# Altium PCB STeaMi-VerB1.PcbDoc (part 3 of 5)
Units mm, origin at the board's own origin, x right, y up, seen from the top; angles counter-clockwise.
Board outline 61.3 x 91.91 mm, 4 copper layers (Top Layer, Mid-Layer 1, Mid-Layer 2, Bottom Layer), stack 1.573 mm thick; 370 components, 209 nets, 1141 pads, 566 vias.
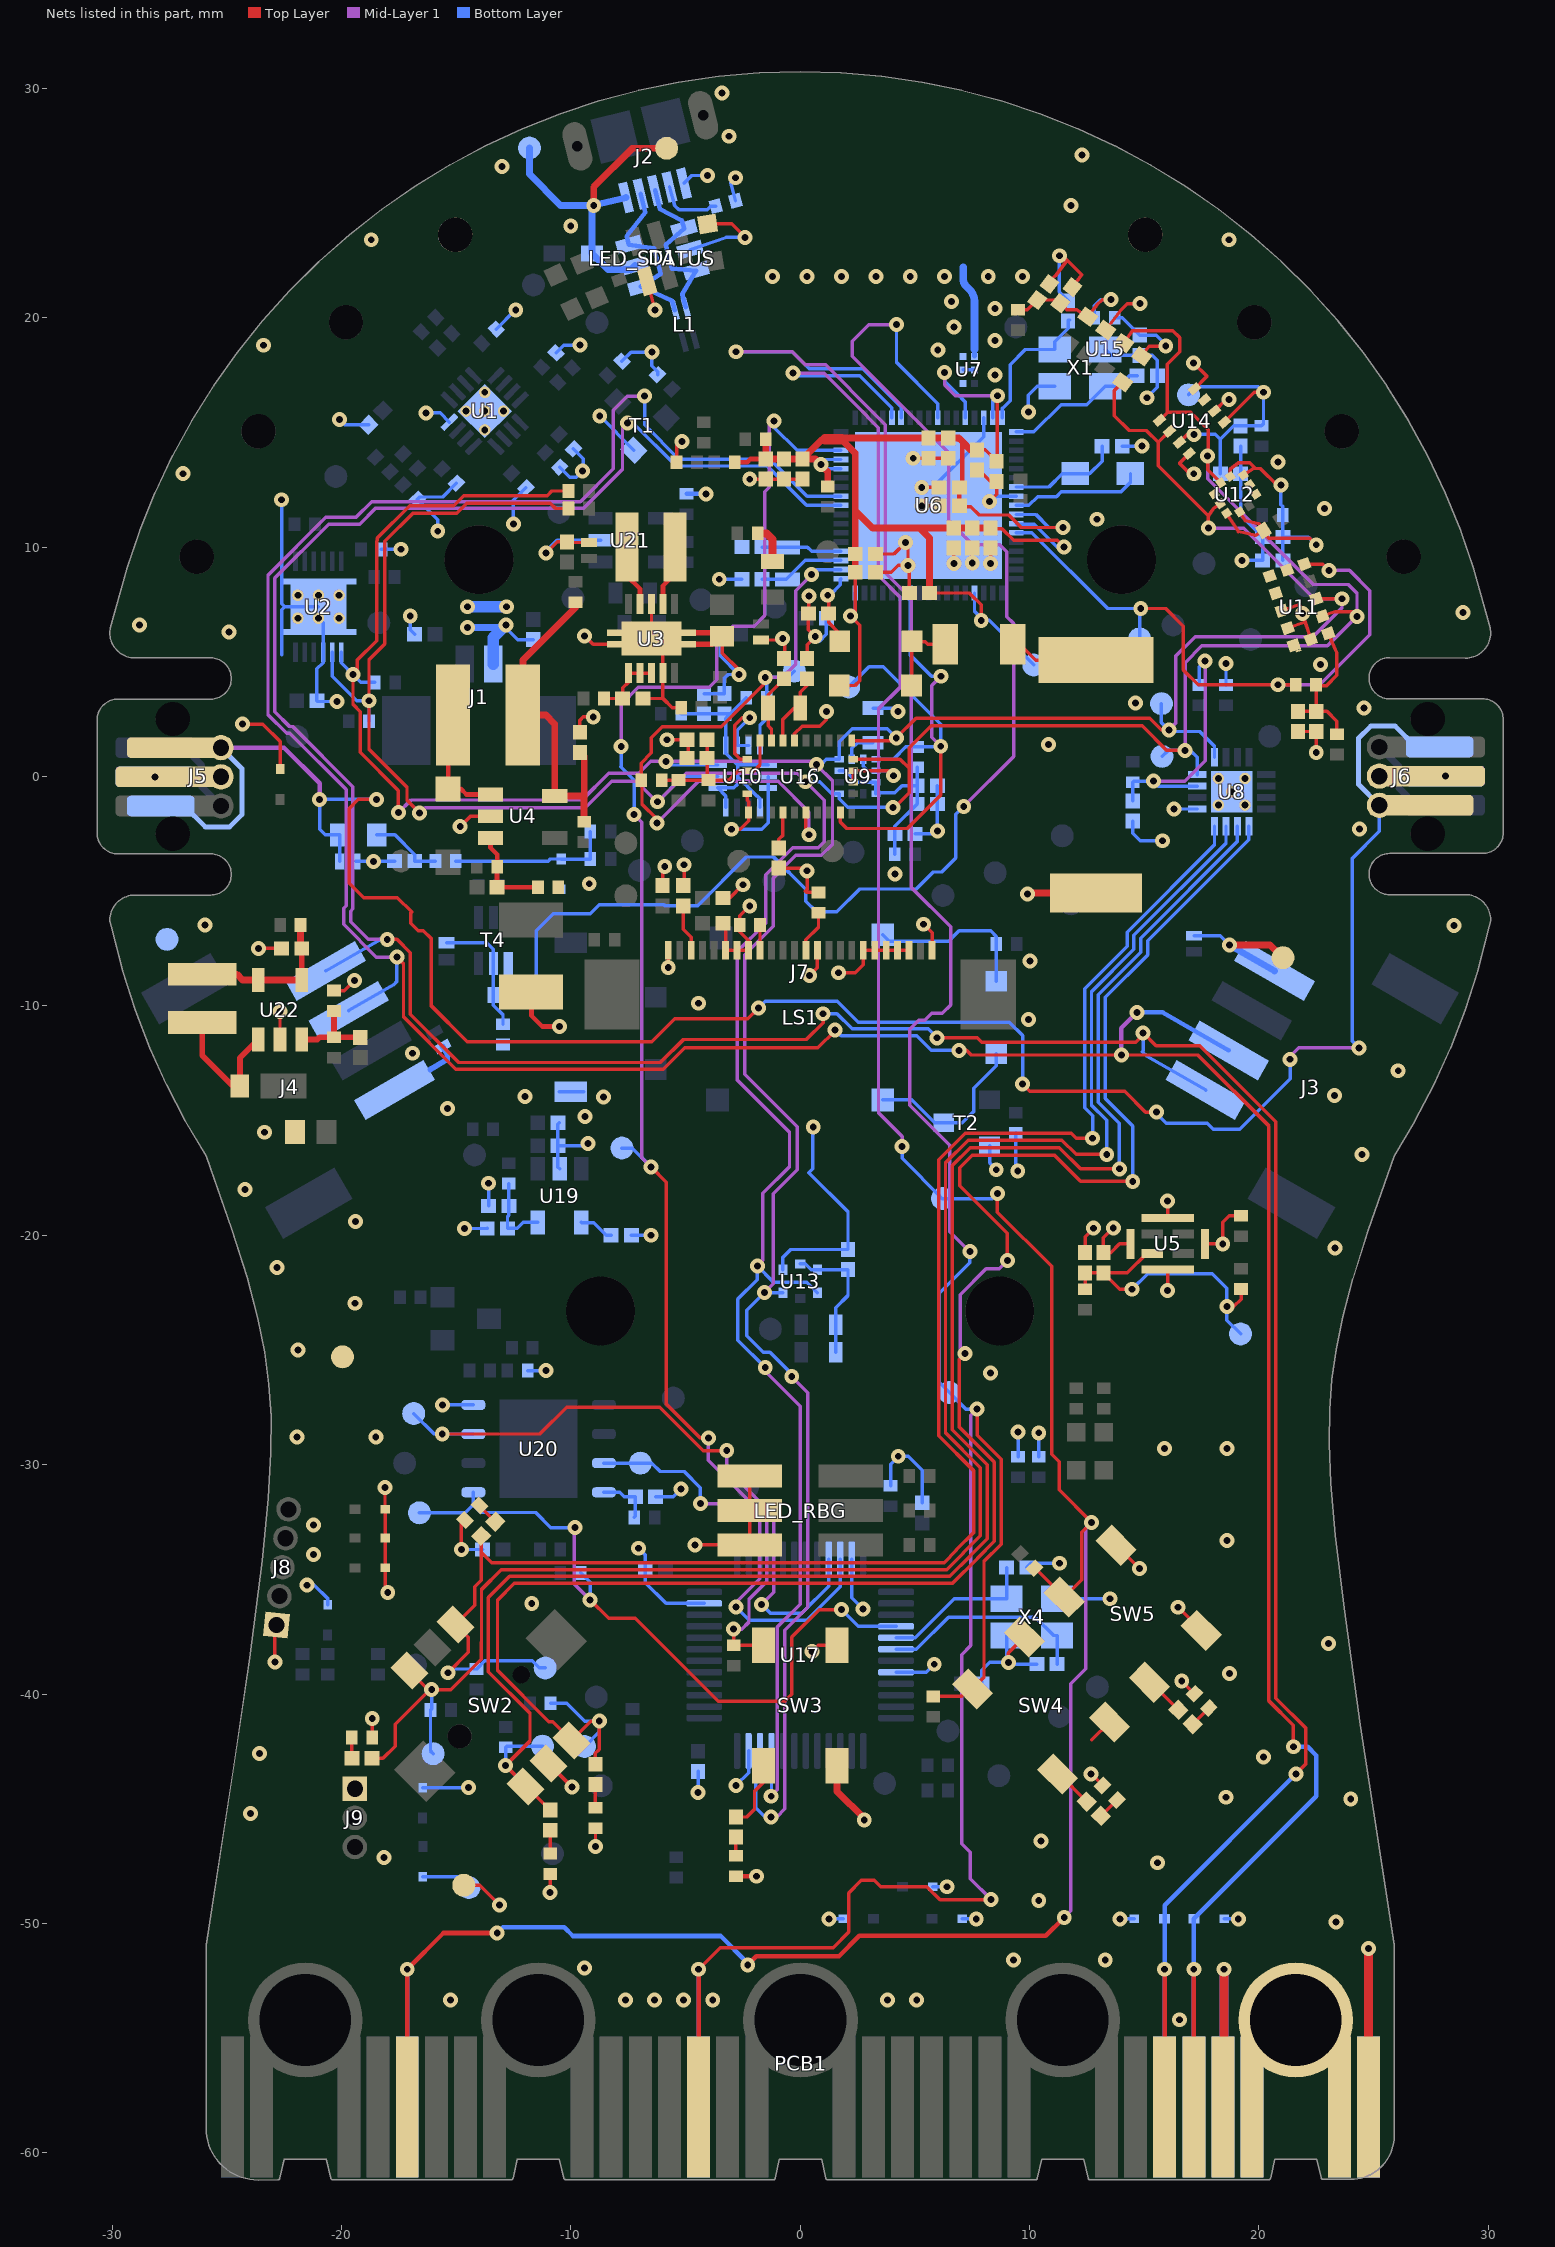
[diagram p5: the nets of this part, all layers, seen from the top]

## Via types
v1: diameter 0.65, hole 0.3, Top Layer to Bottom Layer, tented both sides, 562 vias
v2: diameter 0.65, hole 0.3, Top Layer to Bottom Layer, 4 vias

## Nets (pads, with @x,y where several pads share a name; then routed paths per layer and width w, separated by ;. In a path a pad name is that pad's centre, name@x,y a point inside that pad or via, vN(x,y) a via of type N, cw(c..) or ccw(c..) an arc to the next point about the centre after c; other vN are vias at no path point) (continued)
FLASH_/CS: R110.1 TP39.1 U17.4 U20.1 | length 31.3
  Top Layer w0.15: v1(-9.154,-35.9) -8.353,-36.701 -7.185,-36.701 -3.571,-40.314 -0.678,-40.314 -0.368,-40.004 -0.368,-37.514 0.824,-36.322 v1(1.806,-36.322)
  Mid-Layer 1 w0.15: v1(-9.814,-32.742) -9.85,-32.778 -9.85,-35.204 v1(-9.154,-35.9)
  Bottom Layer w0.15: TP39.1@-16.6,-32.1 -14.592,-32.1 -14.245,-31.753 ; U20.1@-14.245,-31.205 -14.245,-31.753 ; v1(-9.814,-32.742) -10.865,-32.742 -11.521,-32.086 -13.912,-32.086 -14.245,-31.753 ; R110.1@-9.563,-34.72 -9.154,-35.129 v1(-9.154,-35.9) ; v1(1.806,-36.322) 2.534,-37.05 U17.4@4.18,-37.05
FLASH_RST: TP37.1 U17.46 U20.7 | length 19
  Mid-Layer 1 w0.15: v1(-4.351,-31.7) -2.531,-31.7 -1.756,-32.475 -1.756,-34.969 -2.8,-36.013 v1(-2.8,-36.2)
  Bottom Layer w0.15: U20.7@-8.555,-29.935 TP37.1@-6.965,-29.935 -6.473,-29.935 -6.108,-30.3 -5.057,-30.3 -4.351,-31.005 v1(-4.351,-31.7) ; v1(-2.8,-36.2) -2.22,-36.78 0.289,-36.78 1.75,-35.319 U17.46@1.75,-34.12
FLASH_WP: TP38.1 U17.45 U20.3 | length 29.2
  Top Layer w0.15: v1(-15.603,-28.665) -11.35,-28.665 -10.185,-27.5 -6.116,-27.5 -4.228,-29.388 v1(-3.2,-29.388)
  Mid-Layer 1 w0.15: v1(-3.2,-29.388) -3.2,-30.183 -1.156,-32.227 -1.156,-35.571 v1(-1.68,-36.095)
  Bottom Layer w0.15: TP38.1@-16.847,-27.774 -15.956,-28.665 v1(-15.603,-28.665) U20.3@-14.245,-28.665 ; v1(-1.68,-36.095) -1.295,-36.48 0.063,-36.48 0.668,-35.875 0.67,-35.875 1.25,-35.295 U17.45@1.25,-34.12
GND: C1.1 C2.2 C3.1 C4.1 C5.1 C7.2 C8.1 C9.1 C10.1 C11.1 C12.1 C13.2 C14.2 C15.2 C16.1 C17.2 C18.1 C19.1 C20.1 C21.1 C22.1 C23.1 C24.1 C25.1 C26.1 C27.1 C28.1 C29.1 C30.1 C31.1 C32.1 C33.1 C34.1 C42.1 C43.1 C44.1 C45.1 C46.1 C47.1 C48.1 C49.1 C50.1 C51.1 C52.1 C53.1 C54.1 C55.1 C56.1 C57.1 C58.1 C59.1 C60.1 C61.1 C62.1 C63.1 C64.1 C65.1 C66.1 C67.1 C68.1 C69.1 C70.1 C71.1 C72.1 C73.1 C74.1 C75.1 C77.1 C78.1 C79.1 C80.1 C81.1 C82.1 C83.1 C84.1 C86.1 C87.1 D1.2 D2.2 D4.2 D8.A D9.A D10.2 D11.A D12.A D13.2 D14.A D16.A D17.A D18.A D19.A D20.A D21.A D22.A D23.A D24.2 J1.1 J2.5 J3.1 J4.1 J5.2 J6.2 J7.1 J7.6 J7.7 J7.8 J7.14 J7.18 J7.19 J7.20 J7.21 J7.22 J7.24 J8.1 J9.1 LED_BLE.K LED_RBG.1 LED_RBG.3 LED_RBG.5 LED_STATUS.K1 PCB1.1_GND PCB1.6_GND PCB1.GND R5.1 R6.1 R7.1 R8.1 R9.1 R10.1 R11.1 R12.1 R13.1 R14.1 R19.1 R23.1 R28.1 R30.1 R40.1 R41.1 R42.1 R43.1 R44.1 R45.1 R46.1 R52.1 R57.1 R59.1 R62.1 R69.1 R91.1 R92.1 R98.1 R102.1 R103.1 R105.1 R116.1 SW1.2 SW2.5 SW3.3 SW3.4 SW4.3 SW4.4 SW5.3 SW5.4 T1.2 T2.2 T4.1 TP6.1 TP7.1 TP15.1 TP16.1 TP57.1 TP58.1 TP59.1 U1.8 U1.17 U2.3 U2.13 U3.3 U3.9 U3.11 U4.2 U5.5 U5.6 U5.7 U5.8 U6.32 U6.42 U6.69 U7.2 U7.4 U7.5 U7.6 U8.1 U8.17 U9.6 U9.8 U10.2 U10.3 U10.6 U10.7 U11.2 U11.3 U11.4 U11.6 U11.12 U12.3 U12.8 U12.9 U13.5 U14.1 U14.5 U14.7 U15.6 U16.2 U16.5 U16.6 U16.17 U16.18 U16.25 U17.8 U17.23 U17.35 U17.47 U19.2 U20.4 U21.2 U22.2 X1.2 X1.4 X4.2 X4.4 | length 320.9
  Top Layer w0.15: v1(-24.312,2.286) -23.43,2.286 -22.67,1.526 D14.A@-22.67,0.325 ; v1(-23.612,-7.493) C86.1@-22.607,-7.493 ; v1(-22.9,-38.6) -22.9,-37.064 J8.1@-22.835,-36.998 ; U22.2@-22.677,-11.471 v1(-22.677,-10.239) ; R59.1@-20.32,-9.334 -19.875,-9.334 v1(-19.431,-8.89) ; R41.1@-18.655,-41.9 v1(-18.655,-41.072) ; v1(-18.1,-31) -18.1,-31.926 D16.A@-18.08,-31.946 D17.A@-18.08,-33.2 D18.A@-18.08,-34.5 -18.08,-35.468 v1(-17.98,-35.568) ; v1(-14.821,-2.184) -14.373,-1.736 U4.2@-13.5,-1.736 ; v1@-14.772,-33.536 -14.772,-32.575 -14.615,-32.418 R40.1@-14.615,-32.415 ; TP6.1@-14.665,-48.335 -13.965,-48.335 v1(-13.1,-49.2) ; v1(-11.081,9.747) -10.599,10.23 C4.1@-10.164,10.23 -10.134,10.2 D4.2@-9.2,10.2 ; SW2.5@-10.972,-43.028 v1(-9.948,-44.052) ; v1(-10.9,-48.645) R43.1@-10.9,-47.845 ; C8.1@-9.6,1.94 -9.6,2.455 -9.455,2.6 v1(-9.02,2.6) ; v1(-9.398,6.133) -9.03,5.765 U3.11@-7.994,5.765 ; v1(-8.921,-46.645) R42.1@-8.921,-45.845 ; C5.1@-6.86,3.4 -5.982,3.4 ; LED_STATUS.K1@-6.672,21.591 v1(-6.326,20.335) ; U3.3@-6.482,7.527 U3.11@-6.482,6.015 -5.982,5.515 U3.9@-5.982,4.502 -5.982,3.4 ; C44.1@-6,-4.758 -6,-4.023 v1(-5.905,-3.928) ; v1(-5.8,1.6) C67.1@-4.94,1.6 -4.893,1.6 -4.885,1.608 C66.1@-4.885,0.842 ; v1(-5.75,-8.33) J7.1@-5.75,-7.575 ; R116.1@-5.39,13.7 -5.39,14.562 -5.314,14.639 -5.272,14.597 v1(-5.144,14.597) ; R23.1@-5.19,3 -5.582,3 -5.982,3.4 ; C45.1@-5.1,-4.76 -5.062,-4.722 v1(-5.062,-3.847) ; v1(-4.581,-33.5) LED_RBG.5@-2.2,-33.5 LED_RBG.3@-2.2,-32 LED_RBG.1@-2.2,-30.5 ; LED_BLE.K@-4.031,24.09 -2.987,24.09 v1(-2.4,23.503) ; C3.1@-3.849,5.765 C3.1@-3.5,6.114 ; C3.1@-3.651,6.265 C3.1@-3.5,6.114 ; C47.1@-3.37,-6.4 -3.25,-6.52 J7.6@-3.25,-7.575 J7.7@-2.75,-7.575 J7.8@-2.25,-7.575 -2.25,-7.161 -2.64,-6.771 R57.1@-2.64,-6.479 -2.64,-6.08 v1(-2.2,-5.64) ; C46.1@-3.37,-5.3 -3.081,-5.3 v1(-2.5,-4.719) ; v1(-3,-2.3) -2.616,-2.3 -2.25,-1.934 U16.6@-2.25,-1.562 -2.246,-1.558 -2.246,-1.1 -2.312,-1.034 U16.5@-2.312,-0.75 U16.5@-2.328,-0.765 ; v1(-2.667,4.445) -2.667,4.648 -3.4,5.381 C3.1@-3.4,6.114 C3.1@-3.5,6.114 ; U16.2@-2.312,0.75 -2.604,0.75 -2.855,1.001 -2.855,2.231 -2.525,2.561 v1(-2.2,2.561) ; v1(-2.2,12.96) C11.1@-1.5,12.96 C13.2@0.1,12.96 ; D2.2@-1.7,5.95 -0.75,5.95 v1@-0.677,5.877 ; C68.1@-0.935,-3.997 0.078,-3.997 0.193,-4.112 v1(0.299,-4.112) 0.299,-4.925 0.217,-5.007 0.264,-5.055 R62.1@0.8,-5.055 ; v1(-0.762,6.016) -0.776,6.016 -0.658,5.897 v1@-0.677,5.877 ; C61.1@-0.7,5.14 -0.677,5.163 v1@-0.677,5.877 ; U16.25@-0.25,1.563 -0.25,1.855 0.09,2.195 0.86,2.195 1.143,2.478 v1(1.143,2.837) ; C65.1@0.3,5.14 0.3,5.737 v1(0.659,6.096) 0.36,6.395 C16.1@0.36,7.1 0.268,7.192 0.381,7.304 v1(0.381,7.874) ; v1(0.408,-8.672) 0.75,-8.33 J7.14@0.75,-7.575 ; v1(0.515,-38.143) 0.783,-37.875 SW3.4@1.6,-37.875 ; v1(1.665,-8.558) 2.399,-8.558 2.75,-8.207 J7.18@2.75,-7.575 J7.19@3.25,-7.575 J7.20@3.75,-7.575 J7.21@4.25,-7.575 J7.22@4.75,-7.575 ; U16.17@2.312,-0.25 U16.18@2.312,0.25 2.316,0.254 3.846,0.254 v1(4.066,0.035) ; C21.1@3.28,8.9 3.969,8.9 4.269,9.2 v1(4.7,9.2) ; C20.1@3.28,9.7 4.09,9.7 v1(4.584,10.195) 4.7,10.079 v1(4.7,9.2) ; C22.1@4.76,8 4.76,9.14 v1(4.7,9.2) ; v1(4.927,13.875) C18.1@5.6,13.875 C19.1@6.46,13.875 ; v1(5.3,11.8) C33.1@6.06,11.8 ; v1(5.3,12.6) C32.1@6.06,12.6 ; v1(5.371,-6.441) 5.75,-6.82 J7.24@5.75,-7.575 ; v1(6.7,9.287) C25.1@6.7,9.96 ; v1(7.5,9.3) C24.1@7.5,9.96 ; C14.2@7.712,13.435 8.283,12.864 C15.2@8.564,12.864 8.564,12.296 v1(8.256,11.988) ; v1(8.3,9.287) C23.1@8.3,9.96 ; v1(9.077,-38.62) 9.077,-38.211 SW4.4@9.775,-37.512 ; C63.1@10.862,21.474 10.862,21.561 11.127,21.826 11.612,22.462 11.643,22.502 ; v1(11.3,22.7) 11.445,22.7 11.643,22.502 ; C64.1@11.865,21.328 12.277,21.868 11.643,22.502 ; C9.1@12.422,-20.76 12.422,-20.063 v1(12.792,-19.692) ; v1(12.681,-43.481) R45.1@13.185,-43.985 ; 12.7,-42 12.712,-42 SW4.3@13.488,-41.225 ; U15.6@13.321,19.466 13.978,20.326 14.264,20.612 v1(14.817,20.612) ; v1(13.651,-19.678) 13.222,-20.108 C10.1@13.222,-20.76 13.535,-20.76 13.92,-20.375 U5.5@14.397,-20.375 ; SW5.4@13.775,-33.512 v1(14.787,-34.524) ; v1(16.022,-22.4) U5.8@16.022,-21.5 ; U5.6@16.022,-19.25 v1(16.022,-18.504) ; v1(16.478,-36.216) SW5.3@17.488,-37.225 ; v1(16.637,-39.437) R46.1@17.185,-39.985 ; U14.1@16.968,14.082 16.537,13.65 17.16,13.027 v1(17.16,13.197) ; v1(17.145,18.034) 17.735,17.444 U14.5@17.193,16.902 ; U5.7@17.647,-20.375 v1(18.422,-20.375) 18.422,-19.442 18.709,-19.155 R30.1@19.222,-19.155 ; U14.7@18.023,15.896 U14.7@18.061,15.934 18.559,16.433 v1(18.692,16.433) ; U11.3@20.991,7.228 21.759,7.5 v1(21.9,7.1) 22.021,6.731 ; U11.2@21.251,6.471 22.021,6.731 ; C54.1@21.7,1.96 C55.1@22.5,1.96 v1(22.5,1.05) ; U11.12@22.268,5.975 22.021,6.731
  Top Layer w0.2: C7.2@-11.729,-9.489 -11.713,-9.506 -11.713,-10.438 -11.25,-10.9 v1(-10.5,-10.9) ; R44.1@-2.8,-47.945 v1(-1.905,-47.945)
  Top Layer w0.25: U3.11@-4.969,5.765 C3.1@-3.849,5.765 ; U3.11@-4.969,6.265 C3.1@-3.651,6.265
  Top Layer w0.3: SW3.3@1.6,-43.125 1.6,-44.242 2.794,-45.436 v1(2.794,-45.493) ; v1(9.902,-5.118) 9.945,-5.075 C17.2@12.9,-5.075 ; v1(18.712,-7.339) 20.486,-7.339 TP7.1@21.047,-7.9
  Top Layer w0.4: PCB1.1_GND@18.43,-58 18.48,-57.95 v1(18.48,-52) ; PCB1.6_GND@24.78,-58 v1(24.78,-51.1)
  Bottom Layer w0.15: -22.606,5.297 -22.606,7.271 -22.477,7.4 ; v1(-22.606,12.065) -22.606,7.529 -22.477,7.4 ; v1(-21.498,-35.256) -21.178,-35.256 -20.6,-35.834 D19.A@-20.6,-36.105 ; U2.13@-21,6.9 -20.8,6.7 U2.3@-20.8,5.425 -20.8,4.954 -21.066,4.688 C1.1@-21.066,3.3 -21.036,3.27 v1(-20.193,3.27) ; U2.13@-21,7.4 -22.477,7.4 ; v1(-20.09,15.562) -19.859,15.332 C84.1@-18.817,15.332 ; D13.2@-19.373,-3.7 v1(-18.6,-3.7) -17.694,-3.7 C42.1@-17.682,-3.688 ; R19.1@-18.255,9.9 -18.249,9.906 v1(-17.399,9.906) ; v1(-17,6.993) -17,6.395 C2.2@-16.805,6.2 ; D20.A@-16.458,-44.08 v1(-14.462,-44.08) ; D21.A@-16.449,-47.97 -14.913,-47.97 TP58.1@-14.442,-48.44 ; v1(-16.315,15.849) -15.699,15.849 U1.8@-15.295,15.446 ; v1(-15.799,10.693) -15.799,11.199 R7.1@-16.685,12.085 -16.585,12.185 -15.585,12.185 R6.1@-14.985,12.785 ; v1(-15.599,-27.395) U20.4@-14.245,-27.395 ; v1(-14.772,-33.7) C75.1@-13.84,-33.7 ; v1(-14.635,-19.707) -13.647,-19.707 C80.1@-13.64,-19.7 ; C81.1@-13.579,-18.72 v1(-13.579,-17.733) ; R13.1@-13.25,19.5 -12.415,20.335 v1(-12.4,20.335) ; v1@-12.85,6.5 -12.319,5.969 C83.1@-11.64,5.969 ; v1@-12.609,11 v1(-12.5,11) -12.5,12.041 R11.1@-11.956,12.585 ; R98.1@-11.875,-25.9 v1(-11.081,-25.9) ; v1(-11.081,9.747) -11.081,9.819 -10.6,10.3 U21.2@-8.7,10.3 ; R10.1@-10.638,18.47 -10.305,18.803 v1(-9.6,18.803) ; C77.1@-10.5,-15.096 -10.56,-15.156 C78.1@-10.56,-16.1 ; SW1.2@-10.5,-13.75 SW1.2@-10,-13.75 SW1.2@-9.425,-13.75 ; U19.2@-10.49,-17.1 -10.56,-17.03 C78.1@-10.56,-16.1 ; R12.1@-10.485,13.485 -10.039,13.039 -9.757,13.039 v1(-9.485,13.31) -9.45,13.346 -9.45,13.85 R14.1@-9.885,14.285 ; v1(-9.25,-15.996) -9.354,-16.1 C78.1@-10.56,-16.1 ; v1(-8.738,15.719) T1.2@-7.247,14.229 ; R9.1@-7.771,18.104 -7.375,18.5 v1(-6.463,18.5) -6.463,17.9 -6.215,17.651 R8.1@-6.215,17.515 ; C79.1@-7.36,-20 v1(-6.5,-20) ; v1(-7.05,-33.643) -6.756,-33.937 C72.1@-6.756,-34.615 -6.756,-35.144 -5.85,-36.05 U17.35@-4.18,-36.05 ; C82.1@-6.301,-31.4 -5.535,-31.4 v1(-5.19,-31.055) ; J2.5@-5.065,25.861 -4.726,26.2 v1(-4.032,26.2) ; D1.2@-4.799,22.967 -3.222,23.5 -3.22,23.503 v1(-2.4,23.503) ; v1(-4.453,-44.3) C69.1@-4.453,-43.375 ; C49.1@-4.191,3.615 C48.1@-3.302,3.615 -3.302,4.284 -3.141,4.445 v1(-2.667,4.445) -3.48,5.258 C31.1@-3.48,6.2 ; v1(-3.528,8.597) -2.543,8.597 C29.1@-2.54,8.6 ; v1(-3,-2.3) -1.684,-2.3 -1.4,-2.016 U10.7@-1.4,-0.5 U10.6@-1.4,0 ; R5.1@-2.82,25.095 -3.034,25.879 v1(-2.812,26.1) ; v1(-2.8,-43.98) -2.25,-43.43 U17.23@-2.25,-42.48 ; U10.3@-2.25,1.35 U10.2@-2.75,1.35 -2.75,2.011 v1(-2.2,2.561) ; U13.5@-0.75,-21.5 -0.75,-20.954 -0.416,-20.62 C58.1@2.085,-20.62 2.085,-18.976 0.381,-17.272 0.555,-17.098 0.555,-15.299 v1(0.571,-15.284) ; v1@0.842,5.9 1.14,6.198 C30.1@1.14,6.9 ; v1(1.251,-49.8) D9.A@1.87,-49.8 ; U17.47@2.25,-34.12 2.25,-35.803 v1(2.747,-36.3) ; U9.6@2.75,0.75 2.75,0.45 2.95,0.25 U9.8@3.3,0.25 3.304,0.254 3.846,0.254 v1(4.066,0.035) ; R105.1@3.937,-30.924 3.941,-30.92 3.941,-29.985 4.278,-29.648 v1(4.278,-29.633) 4.715,-29.633 5.322,-30.239 C71.1@5.322,-31.66 ; U17.8@4.18,-39.05 5.496,-39.05 v1(5.846,-38.7) ; C52.1@5.006,-2.505 5.895,-2.505 5.98,-2.42 v1(5.98,-2.38) C51.1@5.98,-1.2 C50.1@5.98,-0.4 ; v1(5.3,12.6) 5.787,12.6 8,14.813 U6.32@8,15.64 ; D8.A@5.78,-48.4 v1(6.399,-48.4) ; D22.A@7.059,-49.8 v1(7.677,-49.8) ; U7.5@7.1,17.727 U7.2@7.6,17.727 ; C70.1@7.92,-39.55 7.92,-38.97 8.27,-38.62 v1(9.077,-38.62) ; T2.2@8.256,-16.096 8.256,-16.848 v1(8.55,-17.142) ; v1(8.256,11.988) 8.256,12.056 8.42,12.22 U6.42@9.42,12.22 ; X4.2@9,-37.447 9,-38.543 v1(9.077,-38.62) ; R69.1@9.4,-15.545 9.4,-17.115 v1(9.485,-17.2) ; R91.1@9.5,-29.655 v1(9.5,-28.585) ; C73.1@9.877,-34.483 10.06,-34.3 v1(11.3,-34.3) 11.3,-34.33 v1@11.13,-34.5 ; v1(9.95,15.898) 9.95,16.622 10.342,17.015 X1.4@11.1,17.015 ; C74.1@10.32,-38.697 9.153,-38.697 v1(9.077,-38.62) ; R92.1@10.4,-29.655 v1(10.4,-28.612) ; X4.4@11.2,-35.847 v1(13.5,-35.847) ; v1(11.3,22.7) 11.3,21.121 C27.1@11.68,20.741 ; X1.2@13.3,18.615 13.555,18.36 C62.1@14.8,18.36 15.352,18.36 15.573,18.139 C26.1@15.573,17.468 15.573,16.97 v1(15.113,16.51) ; v1(13.95,-49.8) D23.A@14.57,-49.8 ; C34.1@14.04,14.4 C34.1@14.04,14.4 14.044,14.398 14.046,14.4 v1(14.9,14.4) ; C43.1@14.5,-1.94 14.5,-2.48 14.82,-2.8 v1(15.8,-2.8) ; v1(16.3,-1.416) U8.1@17.314,-1.416 ; D24.2@17.175,-6.939 18.312,-6.939 v1(18.712,-7.339) ; D11.A@18.48,-49.8 v1(19.1,-49.8) ; R52.1@18.564,3.99 v1(18.564,4.931) ; C60.1@19.2,14.407 C59.1@19.2,13.2 19.2,11.395 C56.1@20.16,10.435 20.16,9.485 C57.1@20.11,9.435 ; v1(19.264,9.42) C57.1@20.16,9.42
  Bottom Layer w0.152: C53.1@3.175,2.986 4.112,2.986 v1(4.26,2.837)
  Bottom Layer w0.2: R103.1@-4.953,12.32 v1(-4.113,12.32)
  Bottom Layer w0.25: -16.129,-12.776 -15.395,-12.345 -15.378,-12.115 D10.2@-15.594,-11.771
  Bottom Layer w0.3: v1(-14.5,6.5) -12.931,6.5 v1@-12.85,6.5 ; v1(18.712,-7.339) J3.1@20.682,-8.477
  Bottom Layer w0.4: PCB1.1_GND@18.43,-58 18.48,-57.95 v1(18.48,-52) ; PCB1.6_GND@24.78,-58 v1(24.78,-51.1)
  Bottom Layer w0.5: v1(-14.5,7.4) v1@-13,7.4 ; J1.1@-13.375,4.9 -13.375,6.056 -12.931,6.5 v1(-12.827,6.604)
  other v1: 16.537,-54.2 -15.24,-53.34 -7.62,-53.34 -6.35,-53.34 -5.08,-53.34 -3.81,-53.34 3.81,-53.34 5.08,-53.34 -9.398,-51.943 9.3,-51.6 13.3,-51.6 23.356,-49.934 10.4,-49 15.573,-47.355 -18.15,-47.13 10.5,-46.4 -23.965,-45.2 24.003,-44.577 18.564,-44.5 20.198,-42.747 -23.567,-42.6 18.712,-39.1 23.034,-37.79 -11.7,-36.052 -21.209,-33.909 18.6,-33.3 -21.209,-32.636 15.89,-29.3 18.6,-29.3 -21.929,-28.8 -18.5,-28.8 8.3,-26 -21.898,-24.999 -19.412,-22.964 -22.8,-21.4 23.312,-20.549 -19.386,-19.4 -24.2,-18 24.5,-16.485 -23.353,-15.51 -9.374,-14.817 -15.367,-14.478 -8.566,-13.97 -12.002,-13.953 23.3,-13.9 26.071,-12.827 -16.9,-12.065 9.96,-10.6 -4.43,-9.885 10.012,-8.036 28.5,-6.5 -25.946,-6.482 -9.194,-4.675 4.126,-4.246 24.384,-2.286 10.822,1.397 24.572,2.992 14.621,3.2 22.685,4.876 -24.9,6.3 -28.8,6.6 28.896,7.148 -12.8,7.4 12.936,11.215 22.86,11.684 -26.9,13.2 20.828,13.716 8.5,17.5 6,18.6 -23.4,18.8 8.5,19 6.7,19.6 8.5,20.4 6.6,20.7 -1.2,21.8 0.3,21.8 1.8,21.8 3.3,21.8 4.8,21.8 6.3,21.8 8.2,21.8 9.7,21.8 -18.7,23.4 18.7,23.4 -10,24 11.8,24.9 -13,26.6 12.293,27.1 -3.1,27.911 -3.4,29.8
GPIO1_EDGE_BOUTON_A: PCB1.P5 R35.1 SW5.2 TP69.1 U6.22 | length 130.4
  Top Layer w0.15: v1(8.595,-18.185) 8.595,-18.995 10.96,-21.36 10.96,-29.554 11.288,-29.881 11.288,-31.102 v1(12.7,-32.515) 12.266,-32.948 12.266,-35.021 SW5.2@11.512,-35.775 10.252,-34.515 R35.1@10.215,-34.515
  Top Layer w0.2: PCB1.P5@-17.13,-58 v1(-17.13,-52) -15.549,-50.419 v1(-13.208,-50.419) ; v1(-2.286,-51.816) -2.286,-51.796 -1.915,-51.425 1.692,-51.425 2.571,-50.546 10.706,-50.546 v1(11.512,-49.74)
  Mid-Layer 1 w0.15: v1(-0.315,17.585) 1.041,17.585 2.95,15.676 2.95,15.661 3.405,15.206 3.405,8.765 4.351,7.819 4.351,3.881 3.415,2.945 3.415,-14.664 4.445,-15.694 v1(4.445,-16.129) ; v1(11.512,-49.74) 11.8,-49.452 11.8,-39.543 12.45,-38.893 12.45,-32.765 v1(12.7,-32.515)
  Bottom Layer w0.15: v1(-0.315,17.585) -0.21,17.479 2.602,17.479 4,16.081 U6.22@4,15.64 ; v1(4.445,-16.129) 4.445,-16.645 TP69.1@6.2,-18.4 8.38,-18.4 v1(8.595,-18.185)
  Bottom Layer w0.2: PCB1.P5@-17.13,-58 v1(-17.13,-52) ; v1(-13.208,-50.419) -12.954,-50.165 -10.287,-50.165 -9.902,-50.55 -3.468,-50.55 -2.286,-51.732 v1(-2.286,-51.816)
GPIO6_EDGE_BOUTON_B: PCB1.P11 R34.1 SW4.2 TP68.1 U6.23 | length 129.2
  Top Layer w0.15: v1(-4.43,-52) -3.484,-51.054 1.437,-51.054 2.117,-50.373 2.117,-48.674 2.667,-48.125 3.238,-48.125 3.513,-48.4 5.52,-48.4 6.095,-48.975 v1@8.294,-48.975 ; R34.1@5.8,-40.105 7.045,-40.105 7.375,-39.775 SW4.2@7.512,-39.775 8.013,-39.274 8.013,-34.215 8.758,-33.471 8.758,-29.76 7.712,-28.714 v1(7.712,-27.58)
  Top Layer w0.2: PCB1.P11@-4.43,-58 v1(-4.43,-52) ; v1@8.294,-48.975 v1(8.319,-48.95)
  Mid-Layer 1 w0.15: v1(-2.794,18.516) -0.348,18.516 0.228,17.941 1.109,17.941 3.25,15.8 3.25,15.786 3.705,15.331 3.705,8.89 4.842,7.752 4.842,-4.838 6.563,-6.559 6.563,-9.963 6.197,-10.329 5.732,-10.329 5.432,-10.629 5.163,-10.629 4.772,-11.02 4.772,-14.324 6.523,-16.075 6.523,-19.839 v1(7.4,-20.716) ; v1(7.712,-27.58) 7.442,-27.85 7.442,-37.884 7.043,-38.283 7.043,-46.525 7.419,-46.9 7.419,-48.05 v1(8.319,-48.95)
  Bottom Layer w0.15: v1(-2.794,18.516) -0.348,18.516 0.389,17.779 2.726,17.779 4.4,16.105 U6.23@4.4,15.64 ; v1(7.4,-20.716) 7.4,-21.2 6.065,-22.535 6.065,-26.417 TP68.1@6.5,-26.852 7.228,-27.58 v1(7.712,-27.58)
  Bottom Layer w0.2: PCB1.P11@-4.43,-58 v1(-4.43,-52)
I2C1_SCL: R15.1 R108.2 TP26.1 U2.2 U8.4 U9.1 U10.13 U11.10 U12.2 U13.2 U14.4 U15.7 U16.19 U17.21 | length 163.9
  Top Layer w0.15: v1(-16.591,-1.591) -17.14,-1.042 -17.14,-0.466 -18.796,1.19 v1(-18.796,3.302) -18.796,5.08 -18.101,5.775 -18.101,10.259 -16.88,11.48 -14.966,11.48 -14.536,11.91 -10.893,11.91 -10.667,11.684 R108.2@-10.097,11.684 ; U16.19@2.312,0.75 4.351,0.75 4.75,0.351 ; v1(4.051,-1.347) 4.085,-1.381 4.75,-0.715 4.75,0.351 ; U15.7@14.105,18.894 14.484,19.433 16.246,19.433 16.542,19.136 16.542,18.515 15.998,17.97 15.998,15.865 U14.4@15.667,15.534 ; 16.016,15.883 17.035,15.883 17.795,15.123 17.795,13.985 17.78,13.97 v1(17.76,13.97) 17.76,13.379 U12.2@18.332,12.807 ; v1(16.779,1.135) 15.985,1.135 14.905,2.215 5.715,2.215 4.75,1.25 4.75,0.351 ; U11.10@22.764,6.992 23.317,7.189 23.319,7.187 23.854,7.187 23.856,7.189 24.066,7.189 v1(24.275,6.98)
  Mid-Layer 1 w0.15: v1(-16.591,-1.591) -16.356,-1.356 -9.375,-1.356 -8.219,-0.2 -7.144,-0.2 -6.244,-1.1 v1(-6.216,-1.1) -4.973,0.142 -0.134,0.142 v1(0.238,-0.23) 1.05,-1.042 1.05,-2.844 0.789,-3.105 -0.322,-3.105 -1.506,-4.289 -1.506,-6.397 -2.753,-7.644 -2.753,-13.219 -0.466,-15.505 -0.466,-17.01 -1.63,-18.174 -1.63,-21.098 v1(-1.868,-21.336) ; v1(-1.524,-25.766) -1.524,-25.93 0.004,-27.458 0.004,-36.08 -0.995,-37.079 -0.995,-44.175 -1.263,-44.443 v1(-1.263,-44.457) ; v1(16.779,1.135) 16.779,4.961 17.512,5.694 22.989,5.694 v1(24.275,6.98) 24.275,7.99 23.895,8.37 22.375,8.37 17.76,12.985 v1(17.76,13.97)
  Bottom Layer w0.15: U2.2@-20.4,5.425 -20.4,4.363 -19.339,3.302 v1(-18.796,3.302) R15.1@-18.796,2.413 ; v1(-6.216,-1.1) -5.116,0 U10.13@-3.6,0 ; v1(-1.524,-25.766) -2.713,-24.577 -2.713,-22.779 -1.868,-21.934 v1(-1.868,-21.336) -1.164,-22.04 0.29,-22.04 U13.2@0.75,-22.5 ; v1(-1.263,-44.457) -1.25,-44.444 U17.21@-1.25,-42.48 ; v1(0.238,-0.23) 0.854,-0.23 1.373,-0.75 U9.1@1.7,-0.75 1.7,-0.968 2.079,-1.347 v1(4.051,-1.347) ; TP26.1@15.778,0.878 16.034,1.135 v1(16.779,1.135) 17.012,1.135 17.314,0.834 U8.4@17.314,0.084
I2C1_SDA: R16.1 R106.2 TP25.1 U2.1 U8.5 U9.4 U10.14 U11.9 U12.4 U13.4 U14.3 U15.1 U16.20 U17.22 | length 156.2
  Top Layer w0.15: v1(-17.514,-1.574) -17.514,-0.611 -19.177,1.051 -19.177,2.828 -19.494,3.145 v1(-19.494,4.444) -19.3,4.639 -19.3,5.083 -18.465,5.918 -18.465,6.169 -18.46,6.173 -18.46,10.255 -18.465,10.259 -18.431,10.293 -18.431,10.395 -17.017,11.81 -15.102,11.81 -14.673,12.24 -11.035,12.24 -10.829,12.446 R106.2@-10.097,12.446 ; U16.20@2.25,1.562 4.102,1.562 4.191,1.651 v1(4.191,1.685) 5.05,2.545 15.234,2.545 15.747,2.032 v1(16.071,2.032) ; U15.1@14.062,17.191 13.697,16.827 13.697,15.725 14.34,15.082 15.092,15.082 15.612,14.562 ; U14.3@16.101,15.05 15.612,14.562 ; v1(17.795,10.829) 17.795,11.369 ; U12.4@18.318,11.892 18.016,11.684 17.795,11.369 ; U11.9@22.503,7.749 22.575,7.82 22.649,7.747 v1(23.622,7.747) ; 15.612,14.562 15.612,13.551 17.795,11.369